# Altium PCB MCH_MAIN.PCBDOC (part 12 of 14) (continued)
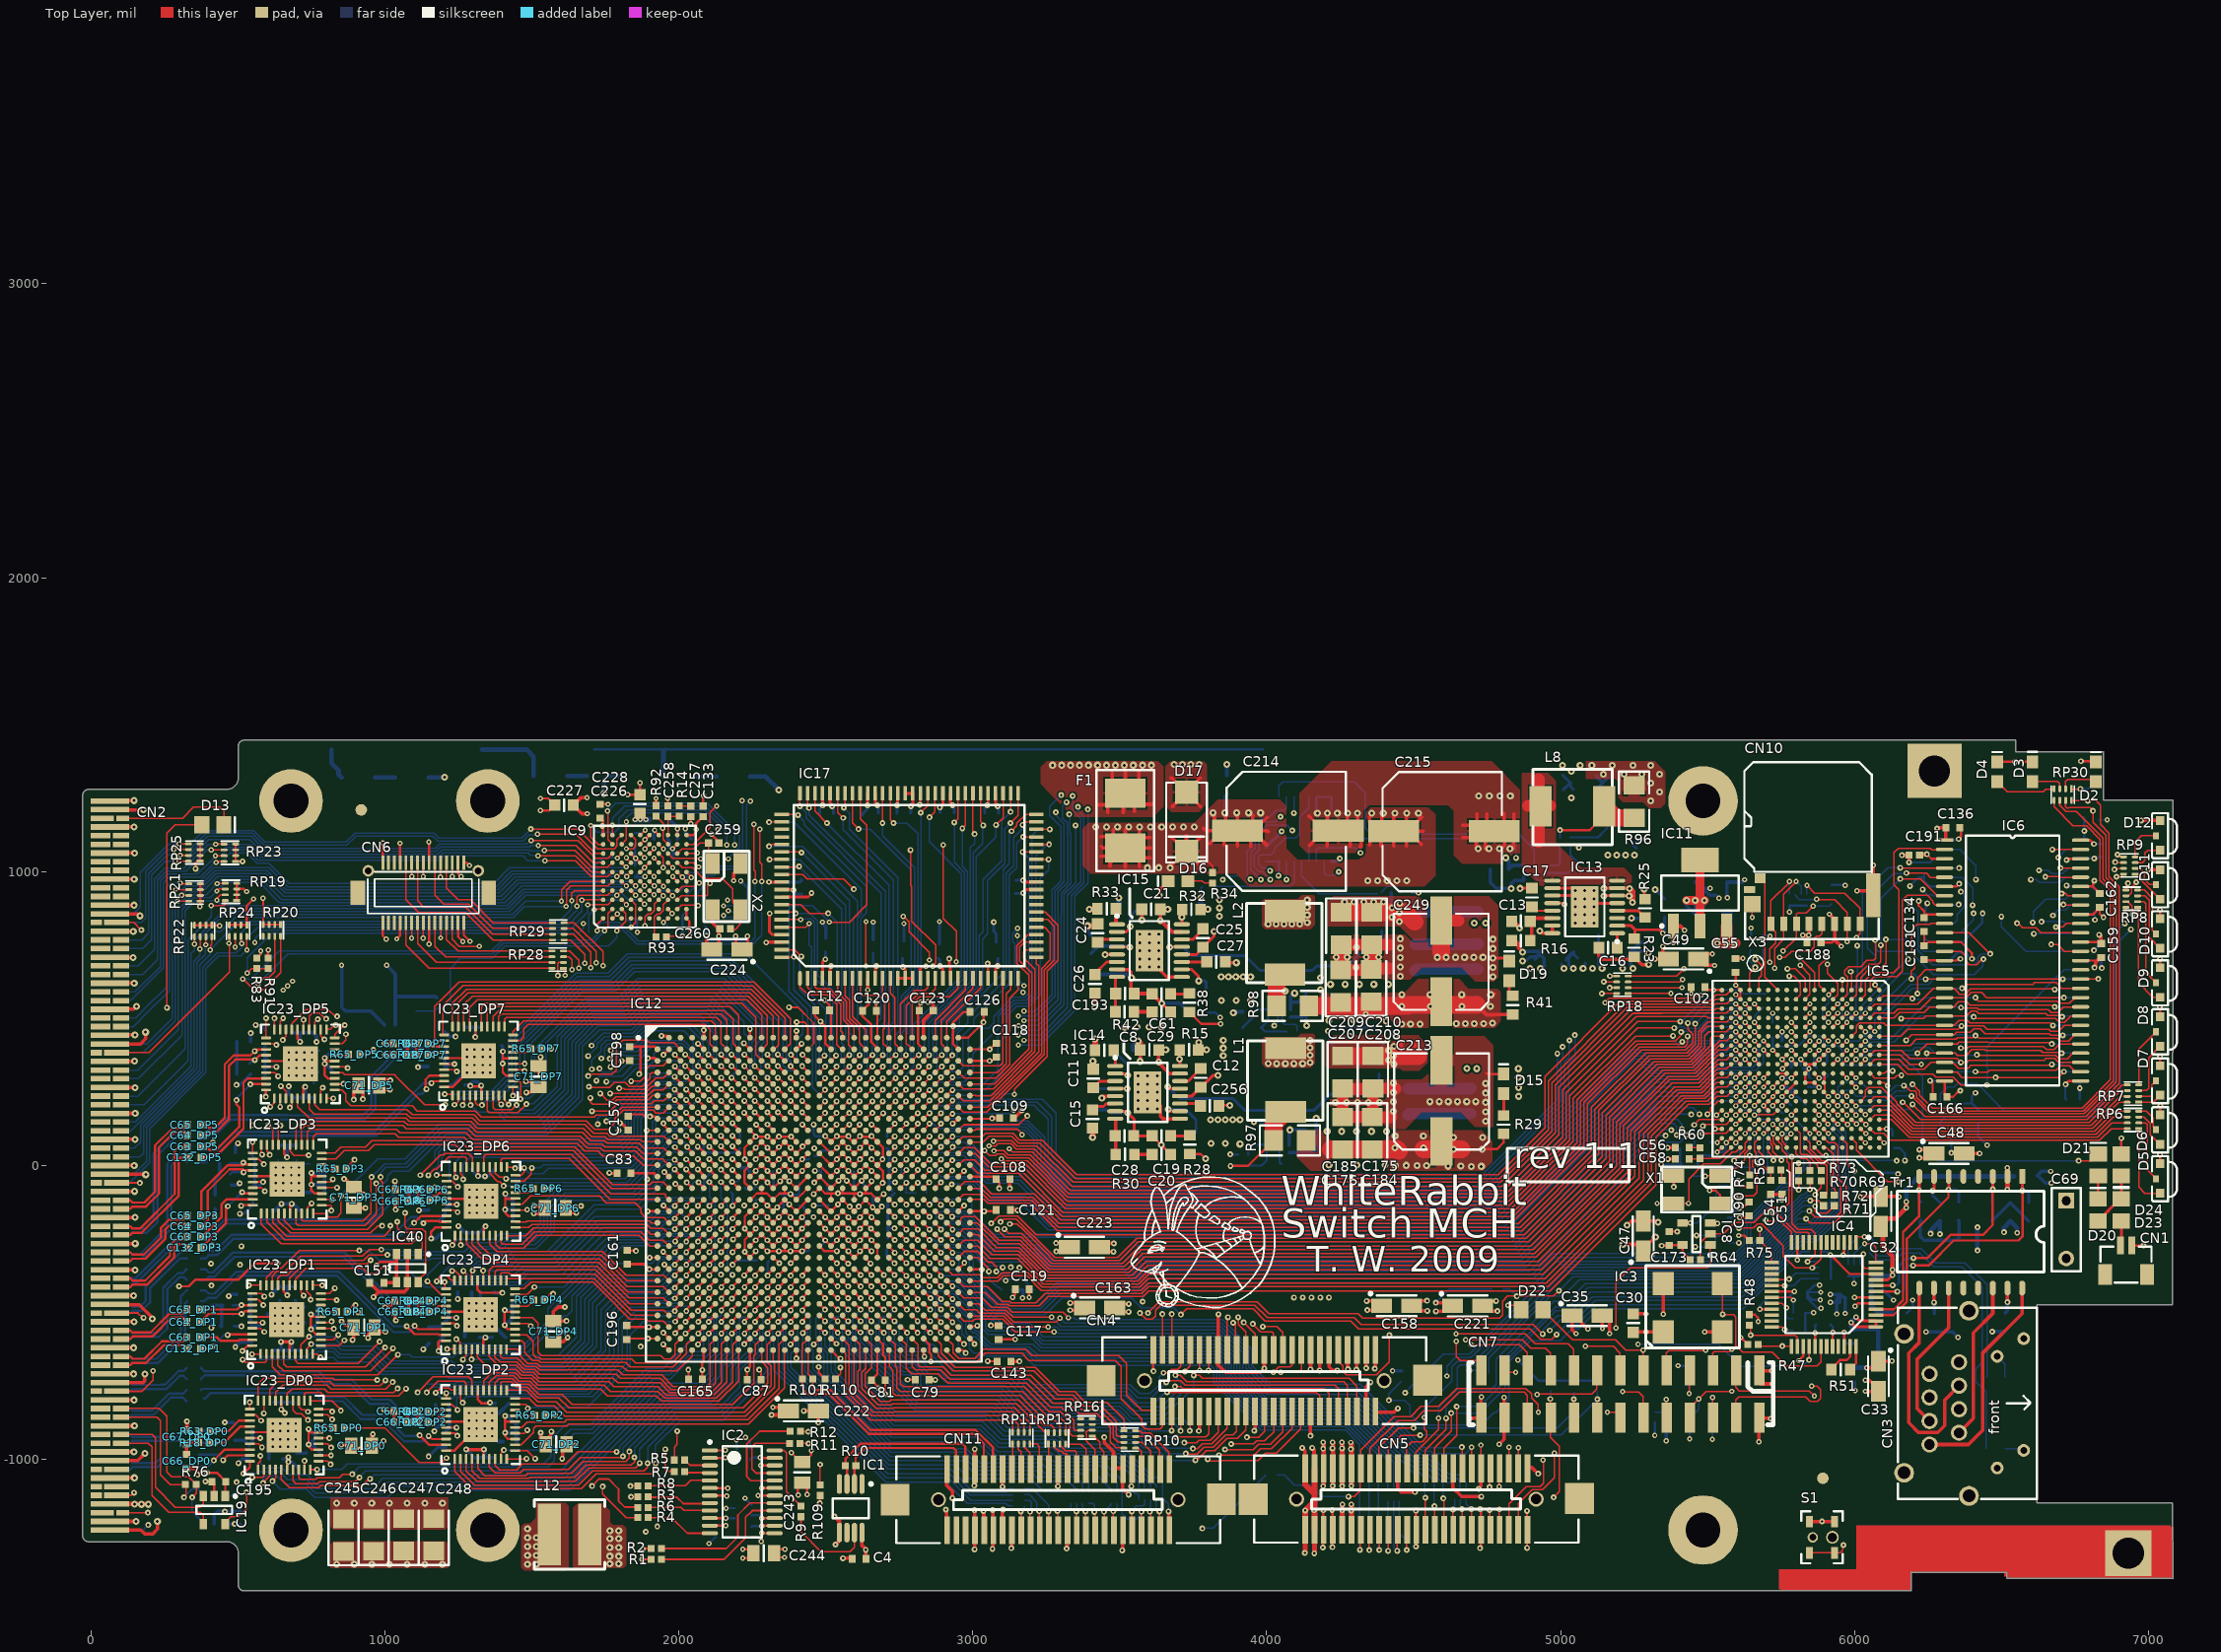
[diagram p0: Top Layer view]
## Nets (pads, with @x,y where several pads share a name; then routed paths per layer and width w, separated by ;. In a path a pad name is that pad's centre, name@x,y a point inside that pad or via, vN(x,y) a via of type N, cw(c..) or ccw(c..) an arc to the next point about the centre after c; other vN are vias at no path point) (continued)
PC2: IC5.D16
PC3: CN5.45 IC5.C15 | length 2436.6
  Top Layer w5: CN5.45@4823.96,-1030.77 4823.96,-958.14 v2(4824,-958.1)
  Top Layer w8: IC5.C15@6021.05,155.89 v2@6036.8,140.14
  MidLayer1 w5: v2(4824,-958.1) 4849,-983.1 4955.22,-983.1 4970.83,-998.71 5010.64,-998.71 5064.03,-1052.1 5745.28,-1052.1 5822,-975.38 5822,-744.62 5846.84,-719.78 5868.32,-719.78 6041.5,-546.6 6041.5,-393.98 5997.5,-349.98 5997.5,-248.11 6058.5,-187.11 6058.5,94.75 6058.5,122.65 6041.72,139.42 v2@6037.52,139.42
  other v2: 6037.8,139.7
PC4: IC5.E14 | length 22.3
  Top Layer w8: IC5.E14@5958.06,187.39 v2(5973.81,171.64)
PC5: IC5.B16 RP6.8 | length 917.9
  Top Layer w5: IC5.B16@6052.44,124.73 6067.94,109.22 ; 6068.06,108.89 6097.8,108.89 6120.79,85.9 6833,85.9 6872.55,125.45 6935.52,125.45 RP6.8@6933.66,127.32
PC6: IC5.D13 RP7.5 | length 1024.8
  Top Layer w5: v1@6167.85,212.95 6224.9,155.9 6791,155.9 6909.61,274.51 RP7.5@6935.52,274.51
  Top Layer w8: IC5.D13@5989.45,219.21 v2@6004.49,204.17
  Bottom Layer w5: v2@6005.31,203.14 6150.17,203.14 v1@6163.06,216.03
  other v1: 6163.79,215.31
  other v2: 6004.49,202.76
PC7: IC5.B15 RP6.6 | length 941.4
  Top Layer w5: IC5.B15@6052.3,155.07 6068.49,171.27 6124.66,171.27 6190.03,105.9 6821.86,105.9 6880.78,164.82 RP6.6@6935.52,164.82
PC8: CN5.46 IC5.C14 | length 2566.9
  Top Layer w5: CN5.46@4823.96,-1239.43 4823.96,-1151.14 4883.09,-1092.01 4930,-1092.01 4941.1,-1080.91 4941.1,-1001.2 4941,-1001.1 v2(4940,-1002.1)
  Top Layer w8: IC5.C14@6021.05,187.39 v2@6036.8,171.64
  MidLayer1 w5: v2(4940,-1002.1) 4960.08,-1002.1 4967,-1009.02 5006.81,-1009.02 5059.89,-1062.1 5749.43,-1062.1 5832,-979.53 5832,-748.77 5850.67,-730.1 5874.83,-730.1 6051.5,-553.43 6051.5,-208.25 6068.5,-191.25 6068.5,141.16 v2(6036.71,172.95)
PC9: IC5.B14 RP7.8 | length 959
  Top Layer w5: IC5.B14@6052.58,187.86 IC5.B14@6052.47,187.75 ; IC5.B14@6052.69,187.75 6052.55,187.75 IC5.B14@6052.47,187.75 ; RP7.8@6935.52,215.45 6898.55,215.45 6809,125.9 6198.32,125.9 6121.42,202.8 6067.35,202.8 6052.3,187.75 IC5.B14@6052.47,187.75
PC10: CN5.47 IC5.D15 | length 2367.7
  Top Layer w5: CN5.47@4855.46,-1030.77 4855.46,-960.64 v2(4856,-960.1)
  Top Layer w8: IC5.D15@5989.56,155.89 v2@6005.31,140.14
  MidLayer1 w5: v2(4856,-960.1) 5000.31,-960.1 5072.31,-1032.1 5737,-1032.1 5802,-967.1 5802,-736.34 5840.48,-697.86 5859.24,-697.86 6021.5,-535.6 6021.5,-402.27 5977.5,-358.27 5977.5,-239.82 6036.3,-181.02 6036.3,31.6 6005.31,62.59 v2@6005.31,139.45 ; v2@6002.73,137.57 v2@6005.31,140.14 ; v2@6003.51,140.14 v2@6005.31,140.14 ; v2(6006,140.9) 6006,140.14 v2@6005.31,139.45 ; v2@6005.31,139.45 v2@6005.31,140.14
PC11: IC5.E13 IC9.J2 RP30.8 | length 7552.1
  Top Layer w5: IC9.J2@1994.97,872.4 2009.34,886.77 v2@2065.87,886.77 ; v1@6198.36,207.04 6239.5,165.9 6786,165.9 6899.8,279.7 6899.8,948.68 6865.17,983.31 6865.17,1130.89 6835.73,1160.33 6835.73,1225.47 6820.46,1240.74 RP30.8@6737.25,1240.74
  Top Layer w8: IC5.E13@5958.06,218.88 5968.78,208.17 5964.96,211.99 5964.96,212.36
  MidLayer1 w5: v2(2244,1239.9) 2358,1239.9 2399,1280.9 3156,1280.9 3207,1331.9 4587.9,1331.9 4672.45,1247.35 4672.45,1085.45 4734,1023.9 5308.29,1023.9 5375.99,1091.6 5542.99,1091.6 5680.29,1228.9 6781.8,1228.9 v1(6793.3,1240.4)
  Bottom Layer w5: v2@2066,886.9 2066,931.9 2088,953.9 2088,974.9 2099.5,986.4 2120.5,986.4 2141.76,1007.66 2196.24,1007.66 2230,1041.42 2230,1225.9 v2(2244,1239.9) ; v2(5972.99,203.74) 5989.47,187.26 6022.06,187.26 6025.3,190.5 6179.33,190.5 v1(6197.25,208.42) v1@6196,208.42
  other v2: 2066,883.9
PC12: IC5.A15 RP6.7 | length 897.2
  Top Layer w5: IC5.A15@6083.93,156.22 IC5.A15@6084.26,155.89 ; IC5.A15@6084.05,155.89 IC5.A15@6084.26,155.89 ; RP6.7@6935.52,145.14 6895,145.14 6875.24,145.14 6826,95.9 6185.89,95.9 6125.9,155.89 IC5.A15@6084.26,155.89
PC13: IC5.F13 RP30.5 | length 2147.3
  Top Layer w5: v1@6198.36,274.96 6221.71,251.61 6221.71,238.19 6264,195.9 6277.42,195.9 6773.57,195.9 6869.8,292.13 6869.8,926.3 ; RP30.5@6678.2,1240.74 6678.2,1220.94 6743.31,1155.83 6788.72,1155.83 6835.17,1109.38 6835.17,1083.03 ; 6834.7,970.27 6834.7,1082.55 ; 6834.84,970.27 6852.84,952.26 6869.8,935.3 6869.8,926.3 ; 6869.8,926.9 6869.8,926.3
  Top Layer w8: IC5.F13@5926.57,218.88 v2@5942.31,203.14
  Bottom Layer w5: v2@5941.84,203.47 5958.03,219.66 5958.03,250.23 5963.7,255.9 5986.36,255.9 6006.86,235.4 6122.06,235.4 6141.06,254.4 6175.25,254.4 6195.41,274.56 v1@6195.41,274.96
  other v1: 6197.38,275.94
  other v2: 5943,203.9
PC14: IC5.C13 RP7.6 | length 1052.5
  Top Layer w5: IC5.C13@6020.94,219.21 6036.32,234.59 6036.32,254.92 ; 6036.43,255.7 6046.48,265.76 6092.74,265.76 6141.83,216.67 6141.83,212.93 6146.29,208.47 6146.29,208.06 6208.45,145.9 6229,145.9 ; 6239,145.9 6229,145.9 ; RP7.6@6935.52,254.82 6905.92,254.82 6797,145.9 6229,145.9
PC15: IC5.E12 IC9.F4 RP30.7 | length 7652.1
  Top Layer w5: IC9.F4@1900.48,935.39 1914.97,920.9 v2(1916,920.9) ; v1(6193.44,236.57) v1@6193.85,236.57 ; v1@6194.43,236.57 v1@6193.85,236.57 ; RP30.7@6717.57,1240.74 6717.57,1221.3 6721.98,1216.88 6728.87,1216.88 ; 6729.16,1217.17 6759.6,1217.17 ; 6764.75,1217.17 6759.6,1217.17 ; v1@6193.85,236.57 6254.52,175.9 6781.86,175.9 6889.8,283.84 6889.8,944.54 6855.17,979.17 6855.17,1123.9 6811.1,1167.97 v1(6811.1,1206.3) 6811.1,1207.5 6801.43,1217.17 6759.6,1217.17
  Top Layer w8: IC5.E12@5958.06,250.38 v2@5973.81,234.63 ; v2@5973.53,235.13 v2(5973.53,235.69)
  MidLayer1 w5: v2(2216,1240.9) 2242,1214.9 2353,1214.9 2358.5,1220.4 ; 2356,1217.9 2358.5,1220.4 ; v1(6811.1,1206.3) 6744.6,1206.3 6732,1218.9 5684.44,1218.9 5547.14,1081.6 5380.14,1081.6 5312.44,1013.9 4729,1013.9 4662.45,1080.45 4662.45,1237.15 4579.7,1319.9 3217,1319.9 3165,1267.9 2406,1267.9 2358.5,1220.4
  Bottom Layer w5: v2(1916,920.9) 1929.5,934.4 1987,934.4 2006,934.4 2027.5,955.9 2027.5,986.32 2038.05,996.87 2073.97,996.87 ; 2074,996.9 2115,996.9 2135.76,1017.66 2192.1,1017.66 2216.5,1042.07 2216.5,1240.4 v2(2216,1240.9) ; v2(5973.53,235.69) 5987.62,221.6 6127.29,221.6 6142.26,236.57 v1(6193.44,236.57)
PC16: CN5.48 IC5.D14 | length 2564.6
  Top Layer w5: CN5.48@4855.46,-1239.43 4855.46,-1149.33 4902.77,-1102.01 4939.09,-1102.01 4947.5,-1093.6 ; 4957,-1084.1 4947.5,-1093.6 ; v2(4979,-979.1) 4979,-1062.1 4947.5,-1093.6
  Top Layer w8: IC5.D14@5989.56,187.39 v2(6005.33,171.63)
  MidLayer1 w5: v2(4979,-979.1) 4988,-988.1 5014.17,-988.1 5068.17,-1042.1 5741.14,-1042.1 5812,-971.24 5812,-740.48 5843.3,-709.18 5863.92,-709.18 6031.5,-541.6 6031.5,-398.12 5987.5,-354.12 5987.5,-243.96 6048.5,-182.96 6048.5,41.54 6040.44,49.6 6040.03,49.6 6021.32,68.31 6021.32,134.3 6021.5,134.48 6021.5,155.46 v2(6005.33,171.63)
PC17: IC5.B13 RP7.7 | length 970.6
  Top Layer w5: IC5.B13@6052.44,219.21 6066.81,233.59 6104.71,233.59 6110,228.3 6202.46,135.9 6804,135.9 6903.24,235.14 RP7.7@6935.52,235.14
PC18: IC5.F12 RP30.6 | length 2192.8
  Top Layer w5: v1(6168,271.9) 6168,275.79 6189.72,254.07 6205.11,254.07 6211.71,247.47 6211.71,232.86 6258.66,185.9 6777.72,185.9 6879.8,287.98 6879.8,939.68 6845.17,974.31 6845.17,1113.52 6753.62,1205.07 6719.65,1205.07 6697.88,1226.84 RP30.6@6697.88,1240.74
  Top Layer w8: IC5.F12@5926.45,250.71 5926.67,250.49 v2(5942.2,234.96)
  Bottom Layer w5: v2(5942.2,234.96) 5942.2,265.3 5959.3,282.4 6022.4,282.4 ; 5993,282.4 6022.4,282.4 ; 6118.86,250.96 6120.7,252.8 ; 6131.2,263.3 6120.7,252.8 ; 6131.39,263.11 6140.19,271.9 v1(6168,271.9) ; 6022.4,282.4 6056.2,248.6 6116.5,248.6 6120.7,252.8
PC19: IC5.A14 RP6.5 | length 909.8
  Top Layer w5: IC5.A14@6083.93,187.72 6084.05,187.72 6122.36,187.72 6194.17,115.9 6816,115.9 6884.61,184.51 6905,184.51 RP6.5@6935.52,184.51
PE0: IC5.K3
PE1: IC5.K4
PE2: IC5.L6
PE3: IC5.L7
PE4: IC5.L2
PE5: IC5.L5
PE6: IC5.K1
PE7: IC5.L4
PE8: IC5.M7
PE9: IC5.L3
PE10: IC5.L1
PE11: IC5.M4
PE12: IC5.M6
PE13: IC5.M5
PE14: IC5.M2
PE15: IC5.M3
PE16: IC5.N6
PE17: IC5.N5
RAS: IC5.B4 IC6.18 IC7.18 | length 755.7
  Top Layer w5: IC5.B4@6052.55,502.35 6068.61,518.41 6133.51,518.41 6148,532.9 6224.4,532.9 6237.2,545.7 6262.8,571.3 6297.6,571.3 IC6.18@6297.8,571.1 ; IC6.18@6306.51,571.24 6379.34,571.24 6396.84,588.74 6432.34,588.74 6449.84,571.24 v1(6712.02,571.24)
  Bottom Layer w5: v1@6704.09,571.19 IC7.18@6765.85,571.19
RBCLK_DP0: IC12.AG15 R65_DP0.2 | length 2036.5
  Top Layer w5: v1(2459.2,-608.35) IC12.AG15@2478.73,-588.82
  Top Layer w6: R65_DP0.2@860.72,-893.1 1000.6,-893.1 1117.6,-1010.1 1194.8,-1010.1 v1(1209.6,-995.3)
  MidLayer4 w6: v1(1209.6,-995.3) 1364.6,-995.3 1527.8,-1158.5 1924.2,-1158.5 1995.4,-1087.3 1995.4,-1009.3 2286.8,-717.9 2374.6,-717.9 2459.2,-633.3 v1(2459.2,-608.35)
RBCLK_DP1: IC12.AH15 R65_DP1.2 | length 2418.5
  Top Layer w5: R65_DP1.2@870.92,-497.3 893.32,-474.9 v1(900.8,-474.9) ; v1@2478.73,-658.77 IC12.AH15@2478.73,-628.19
  Top Layer w6: R65_DP1.2@870.92,-497.3 v1@913.6,-497.3
  MidLayer4 w6: v1@913,-502.56 1004.14,-593.7 1036.6,-593.7 1191.2,-748.3 1191.2,-793.3 1215,-817.1 1215,-944.9 1187.2,-972.7 1187.2,-1029.7 1205.4,-1047.9 1383.8,-1047.9 1512.6,-1176.7 1946.2,-1176.7 2019.6,-1103.3 2019.6,-1011.7 2290.8,-740.5 2388,-740.5 v1(2476,-652.5) ; v1@913,-498.5 v1@915.03,-500.53
  other v1: 909.6,-499.3
RBCLK_DP2: IC12.Y1 R65_DP2.2 | length 1897.8
  Top Layer w5: R65_DP2.2@1545.94,-849.56 v1@1570.06,-849.56 ; v1(1901,-313.5) 1901.27,-313.23 IC12.Y1@1927.54,-313.23
  MidLayer1 w6: v1(1578.4,-849.5) 1608,-849.5 1641.2,-816.3 1722.6,-816.3 1870.4,-668.5 v1(1870.4,-615.9)
  MidLayer4 w6: v1@1870,-618.1 1870.4,-617.7 v1(1870.4,-615.9) 1870.4,-525.1 1780.8,-525.1 1770.6,-514.9 1770.6,-501.5 1777.2,-494.9 1944,-494.9 1953.2,-485.7 1953.2,-469.9 1946.2,-462.9 1773.8,-462.9 1768.8,-457.9 1768.8,-440.1 1775.6,-433.3 1953.6,-433.3 1962.4,-424.5 1962.4,-415.5 1948.2,-401.3 1773.4,-401.3 1766.6,-394.5 1766.6,-385.3 1772.8,-379.1 1861.8,-379.1 1870.4,-370.5 1870.4,-353.9 1858.9,-342.4 1779.7,-342.4 1768.8,-331.5 1768.8,-323.1 1778.4,-313.5 v1(1901,-313.5)
RBCLK_DP3: IC12.A14 R65_DP3.2 | length 2015.6
  Top Layer w5: R65_DP3.2@866.07,-11.68 v1@898.05,20.3
  Top Layer w6: v1(2401,487.9) 2427.2,487.9 2439.36,475.74 IC12.A14@2439.36,434.8
  MidLayer4 w6: v1(897.4,19.5) 1084.6,19.5 1115,49.9 1117.4,52.3 1185,119.9 1185,249.36 1210,274.36 1210,447.3 1236.8,474.1 1970.8,474.1 1998.2,501.5 2387.4,501.5 v1(2401,487.9)
RBCLK_DP4: IC12.Y2 R65_DP4.2 | length 1988
  Top Layer w5: v1(1947.18,-293.5) IC12.Y2@1966.91,-313.23
  Top Layer w6: R65_DP4.2@1541.94,-457.28 1562.72,-436.5 v1(1572.8,-436.5)
  MidLayer4 w6: v1(1572.8,-436.5) 1604.3,-436.5 1604.3,-337.79 1625.3,-337.79 1625.3,-467.26 1646.3,-467.26 1646.3,-337.79 1667.3,-337.79 1667.3,-535.21 1688.3,-535.21 1688.3,-232.8 1699,-222.1 1705.4,-222.1 1713.6,-230.3 1713.6,-311.9 ; 1713.6,-321.5 1713.6,-311.9 ; v1@1946.18,-292.5 1945,-292.5 1916,-263.5 1797.8,-263.5 1767.4,-233.1 1754.4,-233.1 1745.4,-242.1 1745.4,-557.7 1739.8,-563.3 1725.4,-563.3 1713.6,-551.5 1713.6,-311.9
RBCLK_DP5: IC12.B14 R65_DP5.2 | length 2022.2
  Top Layer w6: R65_DP5.2@912.72,377.9 945.6,377.9 954,386.3 954,386.5 v1(961.2,393.7) ; v1(2375.2,538.5) 2405.2,538.5 2459.4,484.3 2459.4,415.47 IC12.B14@2439.36,395.43
  MidLayer4 w6: v1(961.2,393.7) 961.2,429.3 1063.15,531.25 1631.95,531.25 1678,577.3 1678,644.5 1683,649.5 1720.6,649.5 1720.6,560.5 1731.6,549.5 1756.8,549.5 1760.4,553.1 1760.4,592.9 1777,609.5 1790.6,609.5 1846.4,553.7 1975.6,553.7 2005.2,524.1 2360.8,524.1 v1(2375.2,538.5)
RBCLK_DP6: IC12.J2 R65_DP6.2 | length 1955.2
  Top Layer w5: R65_DP6.2@1539.92,-78.7 v1(1564,-78.7)
  Top Layer w8: v1@1948.05,138.7 IC12.J2@1966.91,119.84
  MidLayer4 w6: v1(1564,-78.7) 1564,26.5 1593.4,55.9 1615.8,55.9 1622.5,49.2 1622.5,-180.2 1630.2,-187.9 1665.5,-187.9 1685.4,-168 1685.4,-44.9 1651,-10.5 1651,6.5 1685.2,40.7 1685.2,50.3 1676,59.5 1676,71.1 1691,86.1 1714.2,86.1 1719.4,80.9 1719.4,-169.1 1733.6,-183.3 1766.2,-183.3 1789,-160.5 1789,-98.7 1806.6,-81.1 1916.8,-81.1 1924.6,-73.3 1924.6,-28.5 1908.6,-12.5 1799.6,-12.5 1783.2,3.9 1783.2,24.7 1805.2,46.7 1938.8,46.7 1947,54.9 1947,71.3 1937.8,80.5 1903.4,80.5 1899.6,84.3 1899.6,91.9 1912.2,104.5 1939,104.5 1948.05,113.55 v1@1948.05,138.7
  other v1: 1947.9,143.8
RBCLK_DP7: IC12.J1 R65_DP7.2 | length 1962.7
  Top Layer w5: v1@1893.6,119.7 1893.74,119.84 IC12.J1@1927.54,119.84
  Top Layer w6: R65_DP7.2@1531.72,397.9 1565.4,397.9 v1(1565.6,397.7)
  MidLayer4 w6: v1(1565.6,397.7) 1565.6,327.3 1665.6,327.3 1665.6,301.3 1545.39,301.3 1545.39,275.3 1665.6,275.3 1665.6,249.3 1499.2,249.3 1499.2,223.3 1589.4,223.3 1595.6,217.1 1595.6,203.72 1504.08,112.2 1522.47,93.81 1593.18,164.52 1663.89,235.23 1682.27,216.85 1611.56,146.14 1540.85,75.43 1559.24,57.04 1683.22,181.03 1701.6,162.64 1676.33,137.37 1676.33,105.97 1681.2,101.1 1845,101.1 1862.8,118.9 1869.6,118.9 ; 1870,118.5 1869.6,118.9 ; v1(1891.4,119.5) 1890.8,118.9 1869.6,118.9
REFCLK1+: CN11.4
REFCLK1-: CN11.6
REFCLK_2V5_1: IC2.16 R1.1 | length 512.3
  Top Layer w6: R1.1@1940.72,-1340.1 2154,-1340.1 2227,-1267.1 2227,-1197.1 2250,-1174.1 2273,-1174.1 ; 2290,-1174.1 2273,-1174.1 ; IC2.16@2326.24,-1174.08 2273,-1174.1
REFCLK_2V5_2: IC2.17 R2.1 | length 504.8
  Top Layer w6: R2.1@1940.72,-1303.1 2162,-1303.1 2201,-1264.1 2201,-1189.1 2242,-1148.1 2274,-1148.1 ; 2285,-1148.1 2274,-1148.1 ; IC2.17@2326.24,-1148.49 2325.85,-1148.1 2274,-1148.1
REFCLK_2V5_3: IC2.8 R3.1 | length 219.6
  Top Layer w6: R3.1@1896.32,-1127.3 1897.92,-1128.9 1993.8,-1128.9 2015,-1150.1 2104.15,-1150.1 IC2.8@2105.76,-1148.49
REFCLK_2V5_4: IC2.12 R4.1 | length 231.1
  Top Layer w6: R4.1@1896.72,-1198.1 1976,-1198.1 2029,-1251.1 2105.51,-1251.1 IC2.12@2105.76,-1250.85
REFCLK_2V5_5: IC2.3 R5.1 | length 105.7
  Top Layer w6: R5.1@2020.72,-1002.1 2038.72,-1020.1 2054,-1020.1 ; 2067,-1020.1 2054,-1020.1 ; IC2.3@2105.76,-1020.53 2105.33,-1020.1 2054,-1020.1
REFCLK_2V5_6: IC2.9 R6.1 | length 246.6
  Top Layer w6: R6.1@1896.72,-1163.1 2007,-1163.1 2017,-1173.1 2033,-1173.1 ; 2066,-1173.1 2033,-1173.1 ; IC2.9@2105.76,-1174.08 2104.79,-1173.1 2033,-1173.1
REFCLK_2V5_7: IC2.4 R7.1 | length 91.1
  Top Layer w6: R7.1@2020.72,-1041.1 2024.72,-1045.1 2063,-1045.1 ; 2067,-1045.1 2063,-1045.1 ; IC2.4@2105.76,-1046.12 2104.74,-1045.1 2063,-1045.1
REFCLK_2V5_8: IC2.5 R8.1 | length 220
  Top Layer w6: R8.1@1896.52,-1089.1 2023,-1089.1 2041,-1071.1 2065,-1071.1 ; 2068,-1071.1 2065,-1071.1 ; IC2.5@2105.76,-1071.71 2105.15,-1071.1 2065,-1071.1
REFCLK_3V3_1: IC2.21 R11.1 | length 303.3
  Top Layer w6: 2285,-1046.1 2273,-1046.1 ; IC2.21@2326.24,-1046.12 2273,-1046.1 ; R11.1@2377.28,-945.1 2261,-945.1 2249,-957.1 2249,-1032.1 2263,-1046.1 2273,-1046.1
REFCLK_3V3_2: IC2.20 R12.1 | length 463.9
  Top Layer w6: 2290.68,-1072.1 2275,-1072.1 ; 2306.14,-904.1 R12.1@2378.28,-904.1 2275,-904.1 2231,-948.1 2231,-1057.1 2246,-1072.1 2275,-1072.1 ; IC2.20@2326.24,-1071.71 2325.85,-1072.1 2275,-1072.1
REFCLK_DP0: IC23_DP0.14 R1.2 | length 1648.9
  Top Layer w5: IC23_DP0.14@775.32,-946.76 804.65,-946.76 v1(817.4,-959.5)
  Top Layer w6: v1(1876.2,-1339.5) 1904.68,-1339.5 R1.2@1905.28,-1340.1
  MidLayer4 w6: v1(817.4,-959.5) 855.2,-997.3 909.2,-997.3 916.6,-1004.7 916.6,-1023.7 940.6,-1047.7 963.8,-1047.7 967.4,-1044.1 967.4,-963.5 975.8,-955.1 997.4,-955.1 1006,-963.7 1006,-1040.5 1015,-1049.5 1023.6,-1049.5 1035.4,-1037.7 1035.4,-985.1 1043.6,-976.9 1058.6,-976.9 1069.4,-987.7 1069.4,-1036.7 ; 1069,-1037.1 1124.4,-1092.5 1378.6,-1092.5 1505.6,-1219.5 1816.4,-1219.5 1836,-1239.1 1836,-1249.1 1836,-1319.1 1856.4,-1339.5 v1(1876.2,-1339.5)
  Bottom Layer w6: v1@1866.4,-1339.5 v1@1875.6,-1339.5
REFCLK_DP1: IC23_DP1.14 R2.2 | length 1640.7
  Top Layer w5: IC23_DP1.14@783.12,-554.16 825.71,-554.16 826.77,-555.22 v1(826.77,-555.7)
  Top Layer w6: v1@1878.6,-1303.1 R2.2@1905.28,-1303.1
  MidLayer4 w6: v1(826.77,-555.7) 886.43,-555.69 935.44,-604.7 944.47,-604.7 1092.8,-753.03 1092.8,-779.57 1116.33,-803.1 1170,-803.1 1188,-821.1 1188,-927.9 1169.6,-946.3 1169.6,-1052.7 1188.8,-1071.9 1381.8,-1071.9 1507.5,-1197.6 1824.5,-1197.6 1857.6,-1230.7 1857.6,-1257.5 1877.4,-1277.3 v1(1877.4,-1304.3)
REFCLK_DP2: IC23_DP2.14 R3.2 | length 1561.3
  Top Layer w5: IC23_DP2.14@1443.39,-911.02 1475.08,-911.02 v1@1489,-897.1 ; v1(1837.8,-1126.9) 1838.2,-1127.3 R3.2@1860.88,-1127.3 R3.2@1860.48,-1126.9
  MidLayer4 w6: v1(1485,-900.3) 1485,-863.7 1515,-833.7 1515,-749.1 1525,-739.1 1533.8,-739.1 1541,-746.3 1541,-837.7 1510.2,-868.5 1510.2,-969.3 1521.2,-980.3 1530.6,-980.3 1550,-960.9 1550,-913.56 1548.8,-912.36 1548.8,-853.64 1561.8,-840.64 1561.8,-790.9 1573.8,-778.9 1582.6,-778.9 1597.6,-793.9 1597.6,-943.44 1597.6,-949.3 1623.6,-975.3 1623.6,-1069.1 1633.8,-1079.3 1641.6,-1079.3 1650.6,-1070.3 1650.6,-989.3 1674.6,-965.3 1687.4,-965.3 1697.8,-975.7 1697.8,-1046.5 1708,-1056.7 1724.6,-1056.7 1733.4,-1047.9 1733.4,-1033.5 1741.6,-1025.3 1757,-1025.3 1770.6,-1038.9 1770.6,-1101.1 1796.4,-1126.9 v1(1837.8,-1126.9)
REFCLK_DP3: IC23_DP3.14 R4.2 | length 2277.1
  Top Layer w5: IC23_DP3.14@785.27,-75.36 v1(837.65,-75.36)
  Top Layer w6: v1(1741,-1092.1) 1741,-1117.1 1822,-1198.1 R4.2@1861.28,-1198.1
  MidLayer4 w6: v1(837.65,-75.36) 878,-75.36 953.45,0.1 1179.2,0.1 1202.4,-23.1 1202.4,-207.1 1183.8,-225.7 1183.8,-347.88 1223.51,-387.59 1223.51,-406.7 ; 1223.51,-414.01 1223.51,-406.7 ; 1704,-1127.5 1630,-1127.5 ; v1(1741,-1092.1) 1705.6,-1127.5 1630,-1127.5 ; 1223.51,-406.7 1223.51,-423.59 1194,-453.1 1194,-573.1 1252.6,-631.7 1300.2,-631.7 1321.4,-652.9 1359,-652.9 1393.2,-687.1 1393.2,-806.5 1438.6,-851.9 1438.6,-1041.9 1524.2,-1127.5 1630,-1127.5
REFCLK_DP4: IC23_DP4.14 R5.2 | length 1529.8
  Top Layer w5: IC23_DP4.14@1442.32,-537.22 1486.92,-537.22 v1(1496.2,-546.5) ; R5.2@1985.28,-1002.1 1985.28,-957.82 1994.8,-948.3 v1(1994.8,-903.3) v1@1995,-903.1
  MidLayer4 w6: v1(1496.2,-546.5) 1569.9,-620.2 1788.3,-620.2 1797,-628.9 1797,-649.3 1788.4,-657.9 1599.4,-657.9 1592,-665.3 1592,-681.5 1601.8,-691.3 1788.8,-691.3 1796,-698.5 1796,-714.38 1780.08,-730.3 1667.8,-730.3 1661,-737.1 1661,-757.5 1670.16,-766.66 1716.36,-766.66 1773.25,-823.55 1915.05,-823.55 v1(1994.8,-903.3)
REFCLK_DP5: IC23_DP5.14 R6.2 | length 2356.2
  Top Layer w5: IC23_DP5.14@830.33,315.9 857.8,315.9 864.6,309.1 1032.8,309.1 1040.8,301.1 ; 1043.2,298.7 1040.8,301.1 ; v1(1206,206.9) 1135,206.9 1040.8,301.1
  Top Layer w6: v1(1705.6,-1090.3) 1729.8,-1066.1 1761,-1066.1 1795,-1100.1 1795,-1141.1 1816,-1162.1 1860.28,-1162.1 R6.2@1861.28,-1163.1
  Top Layer w8: IC23_DP5.14@830.08,316.15 IC23_DP5.14@830.33,315.9
  MidLayer4 w6: v1(1206,206.9) 1206,153.9 1219.2,140.7 1219.2,-223.1 1202.6,-239.7 1202.6,-300.7 1248.4,-346.5 1248.4,-427.23 1224,-451.63 1224,-556.1 1237,-569.1 1260.2,-569.1 1322.8,-631.7 1362,-631.7 1410.2,-679.9 1410.2,-799.3 1453.6,-842.7 1453.6,-1028.9 1533.6,-1108.9 1642,-1108.9 1660.6,-1090.3 v1(1705.6,-1090.3)
REFCLK_DP6: IC23_DP6.14 R7.2 | length 1546.7
  Top Layer w5: IC23_DP6.14@1444.12,-152.16 1482.39,-152.16 v1(1484.3,-150.24)
  Top Layer w6: v1(1954.2,-965.3) 1954.2,-1034.3 1960,-1040.1 1984.28,-1040.1 R7.2@1985.28,-1041.1
  MidLayer4 w6: v1(1484.3,-150.24) 1484.3,-193 1498.4,-207.1 1626.6,-207.1 1647.4,-227.9 1647.4,-239.3 1639.6,-247.1 1476.4,-247.1 1455.2,-268.3 1455.2,-576.9 1821,-942.7 1851.3,-942.7 1873.9,-965.3 v1@1952.6,-965.3
REFCLK_DP7: IC23_DP7.14 R8.2 | length 1744.6
  Top Layer w6: IC23_DP7.14@1435.99,325.78 1466.26,325.78 ; 1466.44,325.61 1466.26,325.78 ; v1(1475.9,321.1) 1471.22,325.78 1466.26,325.78 ; v1@1836.8,-1089.3 R8.2@1860.88,-1089.3
  MidLayer4 w6: v1(1475.9,321.1) 1427.2,321.1 1368,261.9 1368,167.7 1368,138.5 1368,106.5 1368,33.1 1435.2,-34.1 1435.2,-603.3 1750,-918.1 1750,-982.5 1835.8,-1068.3 v1(1835.8,-1090.3)
REFCLK_MAIN+: CN11.3 IC1.2 R10.1 | length 511.5
  Top Layer w8: IC1.2@2597.8,-1083.42 2597.8,-1026.02 R10.1@2602.72,-1021.1 2601.8,-1020.18 2601.8,-992.7 2633.6,-960.9 2934.4,-960.9 2943.28,-969.78 CN11.3@2943.28,-1029.77
REFCLK_MAIN-: CN11.5 IC1.3 R10.2 | length 594.4
  Top Layer w8: IC1.3@2572.2,-1083.42 2572.2,-1026.02 R10.2@2567.28,-1021.1 2567.28,-997.42 2618.6,-946.1 2964.4,-946.1 2974.78,-956.48 CN11.5@2974.78,-1029.77
RS_CTS: CN5.41 IC5.G6 | length 3020
  Top Layer w5: v1@4759.71,-1092.59 CN5.41@4759.71,-1030.77
  Top Layer w8: IC5.G6@5895.07,439.36 5895.07,438.63 v2@5908.6,425.1
  MidLayer1 w5: v1@4759.5,-1092.8 v1(4758.2,-1094.1) 4758.2,-1054.1 4781,-1031.3 5000.8,-1031.3 5051.6,-1082.1 5757.71,-1082.1 5880,-959.81 5880,-781.5 6091.5,-570 6091.5,-224.82 6109.9,-206.42 6109.9,22.52 6143.17,55.79 6143.17,182.89 6126.29,199.78 6126.29,230.84 6130.5,235.06 6130.5,276.95 6093.15,314.3 5942.47,314.3 5895.32,361.45 5895.32,409.02 v2(5910.4,424.1)
RS_RTS: CN5.43 IC5.F1 | length 3119.2
  Top Layer w5: v1(4790.8,-1093.1) 4791.2,-1092.7 CN5.43@4791.2,-1027.77
  Top Layer w8: v2@5912.6,581.9 5926.57,595.87 IC5.F1@5926.57,596.84 IC5.F1@5925.11,598.29
  MidLayer1 w5: v1(4790.8,-1093.1) 4814.8,-1069.1 5024.46,-1069.1 5047.46,-1092.1 5761.85,-1092.1 5890,-963.95 5890,-785.64 6101.5,-574.14 6101.5,-228.96 6119.9,-210.56 6119.9,18.37 6153.17,51.65 6153.17,187.03 6136.29,203.92 6136.29,226.7 6140.5,230.92 6140.5,281.09 6100.2,321.39 ; v2(5910.65,487.02) 5926.81,470.86 5926.81,351.02 5950.94,326.9 6094.8,326.9 6100.2,321.5
  Bottom Layer w5: v2@5911.4,580.7 5911.4,552.5 5890.2,531.3 5890.2,509.1 v2@5911.9,487.4
  other v2: 5911.8,581.3
RS_RXD: CN5.42 IC5.D10 | length 2858.6
  Top Layer w5: CN5.42@4759.71,-1236.43 v1@4759.71,-1172.61
  Top Layer w8: IC5.D10@5989.56,313.37 5989.67,313.37 v2(6004.66,298.38)
  MidLayer1 w5: v1(4758.8,-1171.7) 4758.8,-1122.9 4740.7,-1104.8 4740.7,-1048.26 4767.66,-1021.3 5004.95,-1021.3 5055.75,-1072.1 5753.57,-1072.1 5842,-983.67 5842,-774.1 5849.5,-766.6 5866.62,-766.6 6071.5,-561.72 6071.5,-216.53 6089.9,-198.13 6089.9,30.8 6124.17,65.07 6124.17,173.61 6102.58,195.2 6102.58,224.32 6028.52,298.38 v2(6004.66,298.38)
RS_TXD: CN5.44 IC5.B10 | length 2901.5
  Top Layer w5: CN5.44@4791.2,-1236.43 v1(4791.2,-1169.7) ; IC5.B10@6052.55,313.37 6067.92,298 6136.1,298 6144,305.9 6158,305.9 v1(6159,306.9)
  Top Layer w8: IC5.B10@6052.55,312.7 IC5.B10@6052.55,313.37
  MidLayer1 w5: v1(4791.2,-1169.7) 4790,-1168.5 4790,-1135.1 4844.4,-1080.7 4951,-1080.7 5021.92,-1080.7 5043.32,-1102.1 5765.99,-1102.1 5900,-968.09 5900,-789.78 6111.5,-578.28 6111.5,-233.1 6129.9,-214.7 6129.9,-22.05 6145.85,-6.1 6172.75,-6.1 6197,18.15 6197,175.9 6232,210.9 6232,280.21 6205.31,306.9 v1(6159,306.9)
RX_DP0_N: C65_DP0.2 CN2.159 | length 229.7
  Bottom Layer w8: CN2.159@102.37,-915.37 134.01,-915.37 141.77,-923.14 301.34,-923.14 C65_DP0.2@320.78,-903.7
RX_DP0_P: C64_DP0.2 CN2.160 | length 223.3
  Bottom Layer w8: CN2.160@102.37,-944.9 134.01,-944.9 141.77,-937.14 313.22,-937.14 C64_DP0.2@319.78,-943.7
RX_DP1_N: C65_DP1.2 CN2.24 | length 258.6
  Top Layer w8: CN2.24@102.37,-561.04 134.01,-561.04 140.46,-567.5 203.6,-567.5 267.4,-503.7 312.38,-503.7 C65_DP1.2@326.18,-489.9
RX_DP1_P: C64_DP1.2 CN2.23 | length 259.9
  Top Layer w8: CN2.23@102.37,-590.57 134.01,-590.57 143.08,-581.5 209.4,-581.5 273.2,-517.7 311.98,-517.7 C64_DP1.2@326.18,-531.9
RX_DP2_N: C65_DP2.2 CN2.153 | length 251.9
  Bottom Layer w8: CN2.153@102.37,-738.21 134.01,-738.21 142.1,-746.3 238.87,-746.3 239.2,-745.97 252.2,-745.97 299.07,-699.1 315.58,-699.1 C65_DP2.2@326.78,-687.9
RX_DP2_P: C64_DP2.2 CN2.154 | length 250.7
  Bottom Layer w8: CN2.154@102.37,-767.74 134.01,-767.74 141.77,-759.97 258,-759.97 302.34,-715.64 315.51,-715.64 C64_DP2.2@326.78,-726.9
RX_DP3_N: C65_DP3.2 CN2.33 | length 302.8
  Top Layer w8: CN2.33@102.37,-295.3 134.01,-295.3 141.77,-303.06 180,-303.06 239.1,-243.96 239.1,-211.6 267.2,-183.5 315.98,-183.5 C65_DP3.2@328.38,-171.1
RX_DP3_P: C64_DP3.2 CN2.32 | length 284.3
  Top Layer w8: CN2.32@102.37,-324.82 134.01,-324.82 141.77,-317.06 185.8,-317.06 253.1,-249.76 253.1,-218.4 272,-199.5 316.4,-199.5
RX_DP4_N: C65_DP4.2 CN2.147 | length 394.9
  Bottom Layer w8: CN2.147@102.37,-561.04 134.01,-561.04 141.77,-568.81 225.8,-568.81 246.2,-548.41 246.2,-415.5 295.4,-366.3 312.78,-366.3 C65_DP4.2@326.58,-352.5
RX_DP4_P: C64_DP4.2 CN2.148 | length 393
  Bottom Layer w8: CN2.148@102.37,-590.57 134.01,-590.57 141.77,-582.81 231.6,-582.81 260.2,-554.21 260.2,-421.3 301.2,-380.3 303.8,-380.3 317.38,-380.3 C64_DP4.2@326.58,-389.5
RX_DP5_N: C65_DP5.2 CN2.39 | length 431.5
  Top Layer w8: CN2.39@102.37,-118.13 134.01,-118.13 141.77,-125.89 182,-125.89 218,-89.89 218,67.5 277,126.5 314.98,126.5 C65_DP5.2@328.38,139.9
RX_DP5_P: C64_DP5.2 CN2.38 | length 429.9
  Top Layer w8: CN2.38@102.37,-147.66 134.01,-147.66 141.77,-139.89 187.8,-139.89 232,-95.69 232,61.7 282.8,112.5 318.78,112.5 C64_DP5.2@328.38,102.9
RX_DP6_N: C65_DP6.2 CN2.141 | length 300.2
  Bottom Layer w8: CN2.141@102.37,-383.88 151.92,-383.88 306.42,-229.38 306.42,-227.72 327.04,-207.1 C65_DP6.2@328.38,-207.1
RX_DP6_P: C64_DP6.2 CN2.142 | length 296.5
  Bottom Layer w8: CN2.142@102.37,-413.41 134.01,-413.41 149.53,-397.88 157.72,-397.88 312.5,-243.1 C64_DP6.2@328.38,-243.1
RX_DP7_N: C65_DP7.2 CN2.135 | length 504.7
  Bottom Layer w8: CN2.135@102.37,-206.71 134.01,-206.71 141.77,-214.48 185,-214.48 212.8,-186.68 212.8,40.1 287,114.3 312.78,114.3 C65_DP7.2@328.38,129.9
RX_DP7_P: C64_DP7.2 CN2.136 | length 507.9
  Bottom Layer w8: CN2.136@102.37,-236.24 134.01,-236.24 141.77,-228.48 190.8,-228.48 226.8,-192.48 226.8,34.3 292.8,100.3 ; 297.6,100.3 292.8,100.3 ; C64_DP7.2@329.38,90.9 319.98,100.3 292.8,100.3
RXFUA+: CN2.14 IC20.4 R76.2 | length 559.3
  Top Layer w5: CN2.14@102.37,-856.32 224.42,-856.32 236.6,-868.5 236.6,-1052.7 270,-1086.1 324.28,-1086.1 324.28,-1121.82 v1(317,-1129.1)
  Bottom Layer w5: v1@318,-1128.1 344.8,-1101.3 363.8,-1101.3 375.8,-1113.3 375.8,-1118.06 IC20.4@382.6,-1124.86
RXFUA-: CN2.15 IC20.3 R76.1 | length 630.5
  Top Layer w5: CN2.15@102.37,-826.79 232.29,-826.79 258.4,-852.9 258.4,-1042.1 275.4,-1059.1 332.72,-1059.1 359.72,-1086.1 359.72,-1114.38 v1(345,-1129.1)
  Bottom Layer w5: v1(345,-1129.1) 345,-1176.9 382.6,-1214.5 IC20.3@382.6,-1219.34
RXI_DP0_N: C65_DP0.1 IC23_DP0.33 R63_DP0.1 | length 187.8
  Top Layer w8: v1(423.2,-903.7) 468.02,-903.7 503.7,-868.01 IC23_DP0.33@541.06,-868.01
  Bottom Layer w8: C65_DP0.1@368.02,-903.7 v1(423.2,-903.7)
RXI_DP0_P: C64_DP0.1 IC23_DP0.34 R18_DP0.1 | length 245.1
  Top Layer w8: v1(422,-943.7) 453.4,-943.7 487.7,-909.4 ; 463,-934.1 487.7,-909.4 ; IC23_DP0.34@528.09,-887.7 541.06,-887.7 509.4,-887.7 487.7,-909.4
  Bottom Layer w8: C64_DP0.1@367.02,-943.7 v1(422,-943.7)
RXI_DP1_N: C65_DP1.1 IC23_DP1.33 R63_DP1.1 | length 210.5
  Top Layer w8: C65_DP1.1@373.42,-489.9 497.71,-489.9 v1@512.2,-475.41 ; v1@512.38,-475.41 IC23_DP1.33@548.86,-475.41
  Bottom Layer w8: R63_DP1.1@483.72,-476.1 510.89,-476.1 v1(512.38,-474.6)
RXI_DP1_P: C64_DP1.1 IC23_DP1.34 R18_DP1.1 | length 222.3
  Top Layer w8: C64_DP1.1@373.42,-531.9 400.42,-504.9 v1(512.4,-504.9) ; v1@512.4,-505.13 514.34,-505.13 524.19,-495.27 524.19,-495.1 IC23_DP1.34@548.86,-495.1
  Bottom Layer w8: R18_DP1.1@482.72,-509.1 486.92,-504.9 v1(512.4,-504.9)
RXI_DP2_N: C65_DP2.1 IC23_DP2.33 R63_DP2.1 | length 917.3
  Top Layer w8: R63_DP2.1@1155.88,-832.28 IC23_DP2.33@1209.14,-832.28
  Bottom Layer w8: C65_DP2.1@374.02,-687.9 386.02,-699.9 774.33,-699.9 803.53,-729.1 887.13,-729.1 ; 887.23,-729 954.93,-796.7 1017.2,-796.7 1072.8,-852.3 1154.8,-852.3 v1(1165.6,-841.5)